# Altium PCB MB1166.PcbDoc (part 15 of 39) (continued)
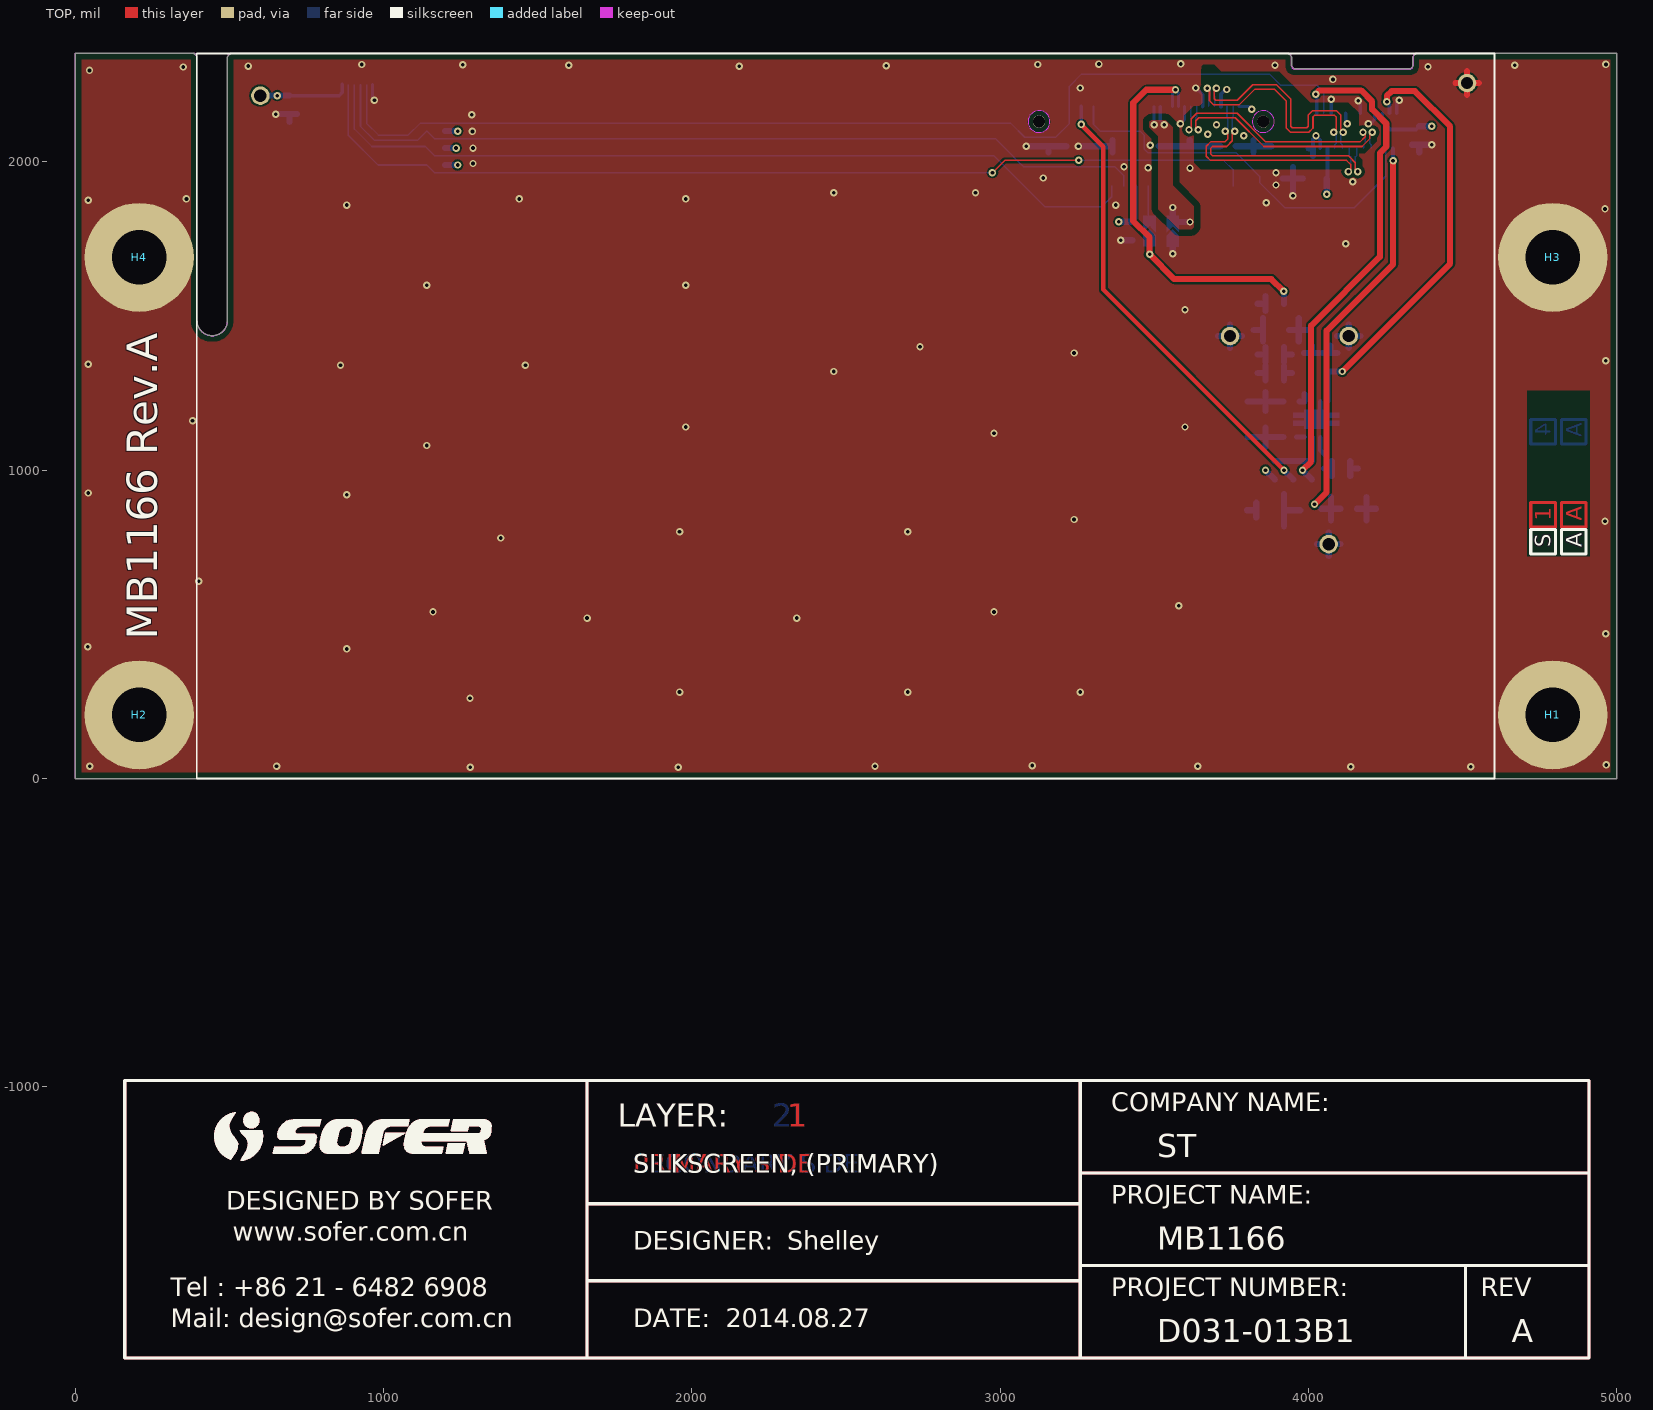
[diagram p0: TOP view]
## Nets (pads, with @x,y where several pads share a name; then routed paths per layer and width w, separated by ;. In a path a pad name is that pad's centre, name@x,y a point inside that pad or via, vN(x,y) a via of type N, cw(c..) or ccw(c..) an arc to the next point about the centre after c; other vN are vias at no path point) (continued)
 ; 455.17,-1184.28 455.2,-1184.37 ; 455.14,-1138.65 455.16,-1138.55 ; 455.14,-1138.65 455.16,-1138.55 ; 455.16,-1138.55 455.19,-1138.46 ; 455.16,-1138.55 455.19,-1138.46 ; 455.2,-1184.37 455.26,-1184.57 ; 455.2,-1184.37 455.26,-1184.57 ; 455.19,-1138.46 455.22,-1138.36 ; 455.19,-1138.46 455.22,-1138.36 ; 455.22,-1138.36 455.25,-1138.27 ; 455.22,-1138.36 455.25,-1138.27 ; 455.26,-1184.57 455.29,-1184.66 ; 455.26,-1184.57 455.29,-1184.66 ; 455.25,-1138.27 455.31,-1138.07 ; 455.25,-1138.27 455.31,-1138.07 ; 455.32,-1184.76 455.29,-1184.66 ; 455.32,-1184.76 455.35,-1184.85 ; 455.32,-1184.76 455.29,-1184.66 ; 455.32,-1184.76 455.35,-1184.85 ; 455.31,-1138.07 455.34,-1137.98 ; 455.31,-1138.07 455.34,-1137.98 ; 455.35,-1184.85 455.38,-1184.95 ; 455.35,-1184.85 455.38,-1184.95 ; 455.34,-1137.98 455.37,-1137.88 ; 455.34,-1137.98 455.37,-1137.88 ; 455.37,-1137.88 455.4,-1137.79 ; 455.37,-1137.88 455.4,-1137.79 ; 455.41,-1185.04 455.38,-1184.95 ; 455.41,-1185.04 455.44,-1185.14 ; 455.41,-1185.04 455.38,-1184.95 ; 455.41,-1185.04 455.44,-1185.14 ; 455.4,-1137.79 455.43,-1137.69 ; 455.4,-1137.79 455.43,-1137.69 ; 455.47,-1185.23 455.44,-1185.14 ; 455.47,-1185.23 455.5,-1185.33 ; 455.47,-1185.23 455.44,-1185.14 ; 455.47,-1185.23 455.5,-1185.33 ; 455.43,-1137.69 455.46,-1137.6 ; 455.43,-1137.69 455.46,-1137.6 ; 455.46,-1137.6 455.49,-1137.5 ; 455.46,-1137.6 455.49,-1137.5 ; 455.5,-1185.33 455.53,-1185.42 ; 455.5,-1185.33 455.53,-1185.42 ; 455.49,-1137.5 455.52,-1137.41 ; 455.49,-1137.5 455.52,-1137.41 ; 455.52,-1137.41 455.55,-1137.31 ; 455.52,-1137.41 455.55,-1137.31 ; 455.56,-1185.52 455.53,-1185.42 ; 455.56,-1185.52 455.59,-1185.61 ; 455.56,-1185.52 455.53,-1185.42 ; 455.56,-1185.52 455.59,-1185.61 ; 455.55,-1137.31 455.58,-1137.22 ; 455.55,-1137.31 455.58,-1137.22 ; 455.59,-1185.61 455.63,-1185.71 ; 455.59,-1185.61 455.63,-1185.71 ; 455.58,-1137.22 455.62,-1137.12 ; 455.58,-1137.22 455.62,-1137.12 ; 455.62,-1137.12 455.65,-1137.03 ; 455.62,-1137.12 455.65,-1137.03 ; 455.66,-1185.8 455.63,-1185.71 ; 455.66,-1185.8 455.69,-1185.9 ; 455.66,-1185.8 455.63,-1185.71 ; 455.66,-1185.8 455.69,-1185.9 ; 455.65,-1137.03 455.68,-1136.93 ; 455.65,-1137.03 455.68,-1136.93 ; 455.72,-1185.99 455.69,-1185.9 ; 455.72,-1185.99 455.75,-1186.09 ; 455.72,-1185.99 455.69,-1185.9 ; 455.72,-1185.99 455.75,-1186.09 ; 455.68,-1136.93 455.71,-1136.84 ; 455.68,-1136.93 455.71,-1136.84 ; 455.71,-1136.84 455.74,-1136.74 ; 455.71,-1136.84 455.74,-1136.74 ; 455.75,-1186.09 455.78,-1186.18 ; 455.75,-1186.09 455.78,-1186.18 ; 455.74,-1136.74 455.77,-1136.65 ; 455.74,-1136.74 455.77,-1136.65 ; 455.77,-1136.65 455.8,-1136.55 ; 455.77,-1136.65 455.8,-1136.55 ; 455.81,-1186.28 455.78,-1186.18 ; 455.81,-1186.28 455.85,-1186.37 ; 455.81,-1186.28 455.78,-1186.18 ; 455.81,-1186.28 455.85,-1186.37 ; 455.8,-1136.55 455.83,-1136.46 ; 455.8,-1136.55 455.83,-1136.46 ; 455.85,-1186.37 455.88,-1186.47 ; 455.85,-1186.37 455.88,-1186.47 ; 455.83,-1136.46 455.87,-1136.36 ; 455.83,-1136.46 455.87,-1136.36 ; 455.87,-1136.36 455.9,-1136.27 ; 455.87,-1136.36 455.9,-1136.27 ; 455.91,-1186.56 455.88,-1186.47 ; 455.91,-1186.56 455.94,-1186.66 ; 455.91,-1186.56 455.88,-1186.47 ; 455.91,-1186.56 455.94,-1186.66 ; 455.9,-1136.27 455.93,-1136.17 ; 455.9,-1136.27 455.93,-1136.17 ; 455.97,-1186.75 455.94,-1186.66 ; 455.97,-1186.75 456.01,-1186.85 ; 455.97,-1186.75 455.94,-1186.66 ; 455.97,-1186.75 456.01,-1186.85 ; 455.93,-1136.17 455.96,-1136.08 ; 455.93,-1136.17 455.96,-1136.08 ; 455.96,-1136.08 456,-1135.98 ; 455.96,-1136.08 456,-1135.98 ; 456.01,-1186.85 456.04,-1186.94 ; 456.01,-1186.85 456.04,-1186.94 ; 456,-1135.98 456.03,-1135.89 ; 456,-1135.98 456.03,-1135.89 ; 456.07,-1187.04 456.04,-1186.94 ; 456.07,-1187.04 456.1,-1187.13 ; 456.07,-1187.04 456.04,-1186.94 ; 456.07,-1187.04 456.1,-1187.13 ; 456.03,-1135.89 456.06,-1135.79 ; 456.03,-1135.89 456.06,-1135.79 ; 456.06,-1135.79 456.09,-1135.7 ; 456.06,-1135.79 456.09,-1135.7 ; 456.1,-1187.13 456.14,-1187.23 ; 456.1,-1187.13 456.14,-1187.23 ; 456.09,-1135.7 456.13,-1135.61 ; 456.09,-1135.7 456.13,-1135.61 ; 456.14,-1187.23 456.2,-1187.41 ; 456.14,-1187.23 456.2,-1187.41 ; 456.13,-1135.61 456.16,-1135.51 ; 456.13,-1135.61 456.16,-1135.51 ; 456.16,-1135.51 456.19,-1135.42 ; 456.16,-1135.51 456.19,-1135.42 ; 456.2,-1187.41 456.24,-1187.51 ; 456.2,-1187.41 456.24,-1187.51 ; 456.19,-1135.42 456.23,-1135.32 ; 456.19,-1135.42 456.23,-1135.32 ; 456.27,-1187.6 456.24,-1187.51 ; 456.27,-1187.6 456.3,-1187.7 ; 456.27,-1187.6 456.24,-1187.51 ; 456.27,-1187.6 456.3,-1187.7 ; 456.23,-1135.32 456.26,-1135.23 ; 456.23,-1135.32 456.26,-1135.23 ; 456.26,-1135.23 456.29,-1135.13 ; 456.26,-1135.23 456.29,-1135.13 ; 456.3,-1187.7 456.34,-1187.79 ; 456.3,-1187.7 456.34,-1187.79 ; 456.29,-1135.13 456.33,-1135.04 ; 456.29,-1135.13 456.33,-1135.04 ; 456.37,-1187.89 456.34,-1187.79 ; 456.37,-1187.89 456.4,-1187.98 ; 456.37,-1187.89 456.34,-1187.79 ; 456.37,-1187.89 456.4,-1187.98 ; 456.33,-1135.04 456.36,-1134.95 ; 456.33,-1135.04 456.36,-1134.95 ; 456.36,-1134.95 456.39,-1134.85 ; 456.36,-1134.95 456.39,-1134.85 ; 456.4,-1187.98 456.44,-1188.07 ; 456.4,-1187.98 456.44,-1188.07 ; 456.39,-1134.85 456.43,-1134.76 ; 456.39,-1134.85 456.43,-1134.76 ; 456.47,-1188.17 456.44,-1188.07 ; 456.47,-1188.17 456.51,-1188.26 ; 456.47,-1188.17 456.44,-1188.07 ; 456.47,-1188.17 456.51,-1188.26 ; 456.43,-1134.76 456.46,-1134.66 ; 456.43,-1134.76 456.46,-1134.66 ; 456.46,-1134.66 456.5,-1134.57 ; 456.46,-1134.66 456.5,-1134.57 ; 456.51,-1188.26 456.54,-1188.36 ; 456.51,-1188.26 456.54,-1188.36 ; 456.5,-1134.57 456.53,-1134.48 ; 456.5,-1134.57 456.53,-1134.48 ; 456.54,-1188.36 456.58,-1188.45 ; 456.54,-1188.36 456.58,-1188.45 ; 456.53,-1134.48 456.56,-1134.38 ; 456.53,-1134.48 456.56,-1134.38 ; 456.56,-1134.38 456.6,-1134.29 ; 456.56,-1134.38 456.6,-1134.29 ; 456.61,-1188.54 456.58,-1188.45 ; 456.61,-1188.54 456.64,-1188.64 ; 456.61,-1188.54 456.58,-1188.45 ; 456.61,-1188.54 456.64,-1188.64 ; 456.6,-1134.29 456.63,-1134.19 ; 456.6,-1134.29 456.63,-1134.19 ; 456.64,-1188.64 456.68,-1188.73 ; 456.64,-1188.64 456.68,-1188.73 ; 456.63,-1134.19 456.67,-1134.1 ; 456.63,-1134.19 456.67,-1134.1 ; 456.67,-1134.1 456.7,-1134.01 ; 456.67,-1134.1 456.7,-1134.01 ; 456.71,-1188.82 456.68,-1188.73 ; 456.71,-1188.82 456.75,-1188.92 ; 456.71,-1188.82 456.68,-1188.73 ; 456.71,-1188.82 456.75,-1188.92 ; 456.7,-1134.01 456.74,-1133.91 ; 456.7,-1134.01 456.74,-1133.91 ; 456.75,-1188.92 456.78,-1189.01 ; 456.75,-1188.92 456.78,-1189.01 ; 456.74,-1133.91 456.77,-1133.82 ; 456.74,-1133.91 456.77,-1133.82 ; 456.77,-1133.82 456.81,-1133.73 ; 456.77,-1133.82 456.81,-1133.73 ; 456.82,-1189.11 456.78,-1189.01 ; 456.82,-1189.11 456.86,-1189.2 ; 456.82,-1189.11 456.78,-1189.01 ; 456.82,-1189.11 456.86,-1189.2 ; 456.81,-1133.73 456.84,-1133.63 ; 456.81,-1133.73 456.84,-1133.63 ; 456.86,-1189.2 456.89,-1189.29 ; 456.86,-1189.2 456.89,-1189.29 ; 456.84,-1133.63 456.88,-1133.54 ; 456.84,-1133.63 456.88,-1133.54 ; 456.89,-1189.29 456.93,-1189.39 ; 456.89,-1189.29 456.93,-1189.39 ; 456.88,-1133.54 456.91,-1133.44 ; 456.88,-1133.54 456.91,-1133.44 ; 456.91,-1133.44 456.99,-1133.26 ; 456.91,-1133.44 456.99,-1133.26 ; 456.96,-1189.48 456.93,-1189.39 ; 456.96,-1189.48 457,-1189.57 ; 456.96,-1189.48 456.93,-1189.39 ; 456.96,-1189.48 457,-1189.57 ; 457,-1189.57 457.03,-1189.67 ; 457,-1189.57 457.03,-1189.67 ; 456.99,-1133.26 457.02,-1133.16 ; 456.99,-1133.26 457.02,-1133.16 ; 457.02,-1133.16 457.06,-1133.07 ; 457.02,-1133.16 457.06,-1133.07 ; 457.03,-1189.67 457.11,-1189.85 ; 457.03,-1189.67 457.11,-1189.85 ; 457.06,-1133.07 457.09,-1132.98 ; 457.06,-1133.07 457.09,-1132.98 ; 457.11,-1189.85 457.14,-1189.95 ; 457.11,-1189.85 457.14,-1189.95 ; 457.09,-1132.98 457.13,-1132.88 ; 457.09,-1132.98 457.13,-1132.88 ; 457.14,-1189.95 457.22,-1190.13 ; 457.14,-1189.95 457.22,-1190.13 ; 457.13,-1132.88 457.17,-1132.79 ; 457.13,-1132.88 457.17,-1132.79 ; 457.17,-1132.79 457.2,-1132.7 ; 457.17,-1132.79 457.2,-1132.7 ; 457.22,-1190.13 457.25,-1190.22 ; 457.22,-1190.13 457.25,-1190.22 ; 457.2,-1132.7 457.24,-1132.61 ; 457.2,-1132.7 457.24,-1132.61 ; 457.25,-1190.22 457.29,-1190.32 ; 457.25,-1190.22 457.29,-1190.32 ; 457.24,-1132.61 457.28,-1132.51 ; 457.24,-1132.61 457.28,-1132.51 ; 457.29,-1190.32 457.33,-1190.41 ; 457.29,-1190.32 457.33,-1190.41 ; 457.28,-1132.51 457.31,-1132.42 ; 457.28,-1132.51 457.31,-1132.42 ; 457.31,-1132.42 457.35,-1132.33 ; 457.31,-1132.42 457.35,-1132.33 ; 457.36,-1190.5 457.33,-1190.41 ; 457.36,-1190.5 457.4,-1190.6 ; 457.36,-1190.5 457.33,-1190.41 ; 457.36,-1190.5 457.4,-1190.6 ; 457.35,-1132.33 457.39,-1132.23 ; 457.35,-1132.33 457.39,-1132.23 ; 457.4,-1190.6 457.44,-1190.69 ; 457.4,-1190.6 457.44,-1190.69 ; 457.39,-1132.23 457.42,-1132.14 ; 457.39,-1132.23 457.42,-1132.14 ; 457.42,-1132.14 457.5,-1131.96 ; 457.42,-1132.14 457.5,-1131.96 ; 457.47,-1190.78 457.44,-1190.69 ; 457.47,-1190.78 457.51,-1190.87 ; 457.47,-1190.78 457.44,-1190.69 ; 457.47,-1190.78 457.51,-1190.87 ; 457.51,-1190.87 457.55,-1190.97 ; 457.51,-1190.87 457.55,-1190.97 ; 457.5,-1131.96 457.54,-1131.86 ; 457.5,-1131.96 457.54,-1131.86 ; 457.55,-1190.97 457.63,-1191.15 ; 457.55,-1190.97 457.63,-1191.15 ; 457.54,-1131.86 457.57,-1131.77 ; 457.54,-1131.86 457.57,-1131.77 ; 457.57,-1131.77 457.65,-1131.59 ; 457.57,-1131.77 457.65,-1131.59 ; 457.66,-1191.24 457.63,-1191.15 ; 457.66,-1191.24 457.7,-1191.34 ; 457.66,-1191.24 457.63,-1191.15 ; 457.66,-1191.24 457.7,-1191.34 ; 457.65,-1131.59 457.69,-1131.49 ; 457.65,-1131.59 457.69,-1131.49 ; 457.7,-1191.34 457.82,-1191.61 ; 457.7,-1191.34 457.82,-1191.61 ; 457.69,-1131.49 457.77,-1131.31 ; 457.69,-1131.49 457.77,-1131.31 ; 457.77,-1131.31 457.8,-1131.22 ; 457.77,-1131.31 457.8,-1131.22 ; 457.82,-1191.61 457.86,-1191.71 ; 457.82,-1191.61 457.86,-1191.71 ; 457.8,-1131.22 457.84,-1131.12 ; 457.8,-1131.22 457.84,-1131.12 ; 457.86,-1191.71 457.89,-1191.8 ; 457.86,-1191.71 457.89,-1191.8 ; 457.84,-1131.12 457.96,-1130.85 ; 457.84,-1131.12 457.96,-1130.85 ; 457.89,-1191.8 458.01,-1192.07 ; 457.89,-1191.8 458.01,-1192.07 ; 457.96,-1130.85 458,-1130.75 ; 457.96,-1130.85 458,-1130.75 ; 458.01,-1192.07 458.05,-1192.17 ; 458.01,-1192.07 458.05,-1192.17 ; 458,-1130.75 458.12,-1130.48 ; 458,-1130.75 458.12,-1130.48 ; 458.05,-1192.17 458.21,-1192.53 ; 458.05,-1192.17 458.21,-1192.53 ; 458.12,-1130.48 458.15,-1130.39 ; 458.12,-1130.48 458.15,-1130.39 ; 458.15,-1130.39 458.19,-1130.3 ; 458.15,-1130.39 458.19,-1130.3 ; 458.21,-1192.53 458.25,-1192.63 ; 458.21,-1192.53 458.25,-1192.63 ; 458.19,-1130.3 458.23,-1130.2 ; 458.19,-1130.3 458.23,-1130.2 ; 458.25,-1192.63 458.45,-1193.08 ; 458.25,-1192.63 458.45,-1193.08 ; 458.23,-1130.2 458.43,-1129.75 ; 458.23,-1130.2 458.43,-1129.75 ; 458.45,-1193.08 458.49,-1193.18 ; 458.45,-1193.08 458.49,-1193.18 ; 458.43,-1129.75 458.47,-1129.65 ; 458.43,-1129.75 458.47,-1129.65 ; 458.47,-1129.65 458.52,-1129.56 ; 458.47,-1129.65 458.52,-1129.56 ; 458.49,-1193.18 458.73,-1193.72 ; 458.49,-1193.18 458.73,-1193.72 ; 458.52,-1129.56 458.76,-1129.02 ; 458.52,-1129.56 458.76,-1129.02 ; 458.73,-1193.72 458.78,-1193.81 ; 458.73,-1193.72 458.78,-1193.81 ; 458.76,-1129.02 458.8,-1128.92 ; 458.76,-1129.02 458.8,-1128.92 ; 458.82,-1193.91 458.78,-1193.81 ; 458.82,-1193.91 458.98,-1194.27 ; 458.82,-1193.91 458.78,-1193.81 ; 458.82,-1193.91 458.98,-1194.27 ; 458.8,-1128.92 458.84,-1128.83 ; 458.8,-1128.92 458.84,-1128.83 ; 458.84,-1128.83 458.89,-1128.74 ; 458.84,-1128.83 458.89,-1128.74 ; 458.89,-1128.74 459.05,-1128.38 ; 458.89,-1128.74 459.05,-1128.38 ; 458.98,-1194.27 459.03,-1194.36 ; 458.98,-1194.27 459.03,-1194.36 ; 459.03,-1194.36 459.19,-1194.72 ; 459.03,-1194.36 459.19,-1194.72 ; 459.05,-1128.38 459.1,-1128.29 ; 459.05,-1128.38 459.1,-1128.29 ; 459.1,-1128.29 459.26,-1127.93 ; 459.1,-1128.29 459.26,-1127.93 ; 459.19,-1194.72 459.24,-1194.81 ; 459.19,-1194.72 459.24,-1194.81 ; 459.24,-1194.81 459.36,-1195.08 ; 459.24,-1194.81 459.36,-1195.08 ; 459.26,-1127.93 459.31,-1127.84 ; 459.26,-1127.93 459.31,-1127.84 ; 459.31,-1127.84 459.35,-1127.75 ; 459.31,-1127.84 459.35,-1127.75 ; 459.36,-1195.08 459.41,-1195.17 ; 459.36,-1195.08 459.41,-1195.17 ; 459.35,-1127.75 459.39,-1127.65 ; 459.35,-1127.75 459.39,-1127.65 ; 459.41,-1195.17 459.49,-1195.35 ; 459.41,-1195.17 459.49,-1195.35 ; 459.39,-1127.65 459.44,-1127.56 ; 459.39,-1127.65 459.44,-1127.56 ; 459.44,-1127.56 459.52,-1127.38 ; 459.44,-1127.56 459.52,-1127.38 ; 459.49,-1195.35 459.54,-1195.44 ; 459.49,-1195.35 459.54,-1195.44 ; 459.52,-1127.38 459.57,-1127.29 ; 459.52,-1127.38 459.57,-1127.29 ; 459.54,-1195.44 459.62,-1195.62 ; 459.54,-1195.44 459.62,-1195.62 ; 459.57,-1127.29 459.65,-1127.11 ; 459.57,-1127.29 459.65,-1127.11 ; 459.62,-1195.62 459.67,-1195.71 ; 459.62,-1195.62 459.67,-1195.71 ; 459.67,-1195.71 459.71,-1195.8 ; 459.67,-1195.71 459.71,-1195.8 ; 459.65,-1127.11 459.7,-1127.02 ; 459.65,-1127.11 459.7,-1127.02 ; 459.71,-1195.8 459.76,-1195.89 ; 459.71,-1195.8 459.76,-1195.89 ; 459.7,-1127.02 459.74,-1126.93 ; 459.7,-1127.02 459.74,-1126.93 ; 459.76,-1195.89 459.84,-1196.07 ; 459.76,-1195.89 459.84,-1196.07 ; 459.74,-1126.93 459.79,-1126.84 ; 459.74,-1126.93 459.79,-1126.84 ; 459.79,-1126.84 459.83,-1126.75 ; 459.79,-1126.84 459.83,-1126.75 ; 459.84,-1196.07 459.89,-1196.16 ; 459.84,-1196.07 459.89,-1196.16 ; 459.83,-1126.75 459.87,-1126.67 ; 459.83,-1126.75 459.87,-1126.67 ; 459.87,-1126.67 459.92,-1126.58 ; 459.87,-1126.67 459.92,-1126.58 ; 459.89,-1196.16 459.93,-1196.25 ; 459.89,-1196.16 459.93,-1196.25 ; 459.92,-1126.58 459.96,-1126.49 ; 459.92,-1126.58 459.96,-1126.49 ; 459.93,-1196.25 459.98,-1196.34 ; 459.93,-1196.25 459.98,-1196.34 ; 459.96,-1126.49 460.01,-1126.4 ; 459.96,-1126.49 460.01,-1126.4 ; 460.02,-1196.43 459.98,-1196.34 ; 460.02,-1196.43 460.07,-1196.52 ; 460.02,-1196.43 459.98,-1196.34 ; 460.02,-1196.43 460.07,-1196.52 ; 460.01,-1126.4 460.05,-1126.31 ; 460.01,-1126.4 460.05,-1126.31 ; 460.07,-1196.52 460.11,-1196.61 ; 460.07,-1196.52 460.11,-1196.61 ; 460.05,-1126.31 460.1,-1126.22 ; 460.05,-1126.31 460.1,-1126.22 ; 460.11,-1196.61 460.16,-1196.7 ; 460.11,-1196.61 460.16,-1196.7 ; 460.1,-1126.22 460.14,-1126.13 ; 460.1,-1126.22 460.14,-1126.13 ; 460.16,-1196.7 460.2,-1196.79 ; 460.16,-1196.7 460.2,-1196.79 ; 460.14,-1126.13 460.19,-1126.04 ; 460.14,-1126.13 460.19,-1126.04 ; 460.2,-1196.79 460.25,-1196.88 ; 460.2,-1196.79 460.25,-1196.88 ; 460.19,-1126.04 460.23,-1125.95 ; 460.19,-1126.04 460.23,-1125.95 ; 460.25,-1196.88 460.29,-1196.97 ; 460.25,-1196.88 460.29,-1196.97 ; 460.23,-1125.95 460.28,-1125.86 ; 460.23,-1125.95 460.28,-1125.86 ; 460.29,-1196.97 460.34,-1197.06 ; 460.29,-1196.97 460.34,-1197.06 ; 460.28,-1125.86 460.32,-1125.77 ; 460.28,-1125.86 460.32,-1125.77 ; 460.32,-1125.77 460.37,-1125.68 ; 460.32,-1125.77 460.37,-1125.68 ; 460.34,-1197.06 460.38,-1197.15 ; 460.34,-1197.06 460.38,-1197.15 ; 460.37,-1125.68 460.41,-1125.59 ; 460.37,-1125.68 460.41,-1125.59 ; 460.38,-1197.15 460.43,-1197.24 ; 460.38,-1197.15 460.43,-1197.24 ; 460.41,-1125.59 460.46,-1125.5 ; 460.41,-1125.59 460.46,-1125.5 ; 460.47,-1197.32 460.43,-1197.24 ; 460.47,-1197.32 460.57,-1197.5 ; 460.47,-1197.32 460.43,-1197.24 ; 460.47,-1197.32 460.57,-1197.5 ; 460.46,-1125.5 460.5,-1125.42 ; 460.46,-1125.5 460.5,-1125.42 ; 460.5,-1125.42 460.6,-1125.24 ; 460.5,-1125.42 460.6,-1125.24 ; 460.57,-1197.5 460.61,-1197.59 ; 460.57,-1197.5 460.61,-1197.59 ; 460.61,-1197.59 460.66,-1197.68 ; 460.61,-1197.59 460.66,-1197.68 ; 460.6,-1125.24 460.64,-1125.15 ; 460.6,-1125.24 460.64,-1125.15 ; 460.66,-1197.68 460.7,-1197.77 ; 460.66,-1197.68 460.7,-1197.77 ; 460.64,-1125.15 460.74,-1124.97 ; 460.64,-1125.15 460.74,-1124.97 ; 460.7,-1197.77 460.75,-1197.86 ; 460.7,-1197.77 460.75,-1197.86 ; 460.75,-1197.86 460.8,-1197.94 ; 460.75,-1197.86 460.8,-1197.94 ; 460.74,-1124.97 460.78,-1124.88 ; 460.74,-1124.97 460.78,-1124.88 ; 460.8,-1197.94 460.84,-1198.03 ; 460.8,-1197.94 460.84,-1198.03 ; 460.78,-1124.88 460.83,-1124.8 ; 460.78,-1124.88 460.83,-1124.8 ; 460.84,-1198.03 460.99,-1198.3 ; 460.84,-1198.03 460.99,-1198.3 ; 460.83,-1124.8 460.88,-1124.71 ; 460.83,-1124.8 460.88,-1124.71 ; 460.88,-1124.71 460.92,-1124.62 ; 460.88,-1124.71 460.92,-1124.62 ; 460.92,-1124.62 461.02,-1124.44 ; 460.92,-1124.62 461.02,-1124.44 ; 460.99,-1198.3 461.03,-1198.39 ; 460.99,-1198.3 461.03,-1198.39 ; 461.02,-1124.44 461.06,-1124.35 ; 461.02,-1124.44 461.06,-1124.35 ; 461.03,-1198.39 461.08,-1198.47 ; 461.03,-1198.39 461.08,-1198.47 ; 461.06,-1124.35 461.11,-1124.27 ; 461.06,-1124.35 461.11,-1124.27 ; 461.08,-1198.47 461.13,-1198.56 ; 461.08,-1198.47 461.13,-1198.56 ; 461.11,-1124.27 461.21,-1124.09 ; 461.11,-1124.27 461.21,-1124.09 ; 461.17,-1198.65 461.13,-1198.56 ; 461.17,-1198.65 461.27,-1198.83 ; 461.17,-1198.65 461.13,-1198.56 ; 461.17,-1198.65 461.27,-1198.83 ; 461.21,-1124.09 461.25,-1124 ; 461.21,-1124.09 461.25,-1124 ; 461.27,-1198.83 461.32,-1198.91 ; 461.27,-1198.83 461.32,-1198.91 ; 461.25,-1124 461.3,-1123.91 ; 461.25,-1124 461.3,-1123.91 ; 461.32,-1198.91 461.37,-1199 ; 461.32,-1198.91 461.37,-1199 ; 461.3,-1123.91 461.35,-1123.83 ; 461.3,-1123.91 461.35,-1123.83 ; 461.37,-1199 461.41,-1199.09 ; 461.37,-1199 461.41,-1199.09 ; 461.35,-1123.83 461.4,-1123.74 ; 461.35,-1123.83 461.4,-1123.74 ; 461.41,-1199.09 461.51,-1199.27 ; 461.41,-1199.09 461.51,-1199.27 ; 461.4,-1123.74 461.44,-1123.65 ; 461.4,-1123.74 461.44,-1123.65 ; 461.44,-1123.65 461.49,-1123.56 ; 461.44,-1123.65 461.49,-1123.56 ; 461.51,-1199.27 461.56,-1199.35 ; 461.51,-1199.27 461.56,-1199.35 ; 461.49,-1123.56 461.54,-1123.48 ; 461.49,-1123.56 461.54,-1123.48 ; 461.56,-1199.35 461.61,-1199.44 ; 461.56,-1199.35 461.61,-1199.44 ; 461.54,-1123.48 461.69,-1123.21 ; 461.54,-1123.48 461.69,-1123.21 ; 461.61,-1199.44 461.65,-1199.53 ; 461.61,-1199.44 461.65,-1199.53 ; 461.65,-1199.53 461.7,-1199.62 ; 461.65,-1199.53 461.7,-1199.62 ; 461.7,-1199.62 461.75,-1199.7 ; 461.7,-1199.62 461.75,-1199.7 ; 461.69,-1123.21 461.74,-1123.13 ; 461.69,-1123.21 461.74,-1123.13 ; 461.75,-1199.7 461.85,-1199.88 ; 461.75,-1199.7 461.85,-1199.88 ; 461.74,-1123.13 461.78,-1123.04 ; 461.74,-1123.13 461.78,-1123.04 ; 461.78,-1123.04 461.88,-1122.86 ; 461.78,-1123.04 461.88,-1122.86 ; 461.85,-1199.88 461.9,-1199.96 ; 461.85,-1199.88 461.9,-1199.96 ; 461.9,-1199.96 462,-1200.14 ; 461.9,-1199.96 462,-1200.14 ; 461.88,-1122.86 461.93,-1122.78 ; 461.88,-1122.86 461.93,-1122.78 ; 461.93,-1122.78 462.03,-1122.6 ; 461.93,-1122.78 462.03,-1122.6 ; 462,-1200.14 462.05,-1200.22 ; 462,-1200.14 462.05,-1200.22 ; 462.05,-1200.22 462.2,-1200.49 ; 462.05,-1200.22 462.2,-1200.49 ; 462.03,-1122.6 462.08,-1122.52 ; 462.03,-1122.6 462.08,-1122.52 ; 462.08,-1122.52 462.18,-1122.34 ; 462.08,-1122.52 462.18,-1122.34 ; 462.2,-1200.49 462.25,-1200.57 ; 462.2,-1200.49 462.25,-1200.57 ; 462.18,-1122.34 462.23,-1122.26 ; 462.18,-1122.34 462.23,-1122.26 ; 462.25,-1200.57 462.35,-1200.75 ; 462.25,-1200.57 462.35,-1200.75 ; 462.23,-1122.26 462.33,-1122.08 ; 462.23,-1122.26 462.33,-1122.08 ; 462.35,-1200.75 462.4,-1200.83 ; 462.35,-1200.75 462.4,-1200.83 ; 462.33,-1122.08 462.38,-1122 ; 462.33,-1122.08 462.38,-1122 ; 462.4,-1200.83 462.45,-1200.92 ; 462.4,-1200.83 462.45,-1200.92 ; 462.38,-1122 462.48,-1121.82 ; 462.38,-1122 462.48,-1121.82 ; 462.45,-1200.92 462.5,-1201 ; 462.45,-1200.92 462.5,-1201 ; 462.5,-1201 462.6,-1201.18 ; 462.5,-1201 462.6,-1201.18 ; 462.48,-1121.82 462.53,-1121.74 ; 462.48,-1121.82 462.53,-1121.74 ; 462.53,-1121.74 462.63,-1121.56 ; 462.53,-1121.74 462.63,-1121.56 ; 462.6,-1201.18 462.65,-1201.26 ; 462.6,-1201.18 462.65,-1201.26 ; 462.65,-1201.26 462.75,-1201.44 ; 462.65,-1201.26 462.75,-1201.44 ; 462.63,-1121.56 462.68,-1121.48 ; 462.63,-1121.56 462.68,-1121.48 ; 462.68,-1121.48 462.73,-1121.39 ; 462.68,-1121.48 462.73,-1121.39 ; 462.75,-1201.44 462.8,-1201.52 ; 462.75,-1201.44 462.8,-1201.52 ; 462.73,-1121.39 462.78,-1121.31 ; 462.73,-1121.39 462.78,-1121.31 ; 462.8,-1201.52 462.85,-1201.61 ; 462.8,-1201.52 462.85,-1201.61 ; 462.78,-1121.31 462.84,-1121.22 ; 462.78,-1121.31 462.84,-1121.22 ; 462.85,-1201.61 462.9,-1201.69 ; 462.85,-1201.61 462.9,-1201.69 ; 462.84,-1121.22 462.89,-1121.13 ; 462.84,-1121.22 462.89,-1121.13 ; 462.9,-1201.69 462.96,-1201.78 ; 462.9,-1201.69 462.96,-1201.78 ; 462.89,-1121.13 462.94,-1121.05 ; 462.89,-1121.13 462.94,-1121.05 ; 462.96,-1201.78 463.01,-1201.86 ; 462.96,-1201.78 463.01,-1201.86 ; 462.94,-1121.05 462.99,-1120.96 ; 462.94,-1121.05 462.99,-1120.96 ; 463.01,-1201.86 463.11,-1202.04 ; 463.01,-1201.86 463.11,-1202.04 ; 462.99,-1120.96 463.04,-1120.88 ; 462.99,-1120.96 463.04,-1120.88 ; 463.04,-1120.88 463.09,-1120.79 ; 463.04,-1120.88 463.09,-1120.79 ; 463.11,-1202.04 463.16,-1202.12 ; 463.11,-1202.04 463.16,-1202.12 ; 463.09,-1120.79 463.15,-1120.71 ; 463.09,-1120.79 463.15,-1120.71 ; 463.16,-1202.12 463.21,-1202.21 ; 463.16,-1202.12 463.21,-1202.21 ; 463.15,-1120.71 463.2,-1120.62 ; 463.15,-1120.71 463.2,-1120.62 ; 463.21,-1202.21 463.27,-1202.29 ; 463.21,-1202.21 463.27,-1202.29 ; 463.2,-1120.62 463.25,-1120.54 ; 463.2,-1120.62 463.25,-1120.54 ; 463.27,-1202.29 463.32,-1202.38 ; 463.27,-1202.29 463.32,-1202.38 ; 463.25,-1120.54 463.3,-1120.45 ; 463.25,-1120.54 463.3,-1120.45 ; 463.32,-1202.38 463.37,-1202.46 ; 463.32,-1202.38 463.37,-1202.46 ; 463.3,-1120.45 463.35,-1120.37 ; 463.3,-1120.45 463.35,-1120.37 ; 463.37,-1202.46 463.42,-1202.55 ; 463.37,-1202.46 463.42,-1202.55 ; 463.35,-1120.37 463.41,-1120.28 ; 463.35,-1120.37 463.41,-1120.28 ; 463.42,-1202.55 463.48,-1202.63 ; 463.42,-1202.55 463.48,-1202.63 ; 463.41,-1120.28 463.46,-1120.19 ; 463.41,-1120.28 463.46,-1120.19 ; 463.46,-1120.19 463.51,-1120.11 ; 463.46,-1120.19 463.51,-1120.11 ; 463.48,-1202.63 463.53,-1202.72 ; 463.48,-1202.63 463.53,-1202.72 ; 463.51,-1120.11 463.56,-1120.02 ; 463.51,-1120.11 463.56,-1120.02 ; 463.53,-1202.72 463.58,-1202.8 ; 463.53,-1202.72 463.58,-1202.8 ; 463.56,-1120.02 463.62,-1119.94 ; 463.56,-1120.02 463.62,-1119.94 ; 463.58,-1202.8 463.63,-1202.89 ; 463.58,-1202.8 463.63,-1202.89 ; 463.62,-1119.94 463.67,-1119.85 ; 463.62,-1119.94 463.67,-1119.85 ; 463.63,-1202.89 463.69,-1202.97 ; 463.63,-1202.89 463.69,-1202.97 ; 463.67,-1119.85 463.72,-1119.77 ; 463.67,-1119.85 463.72,-1119.77 ; 463.69,-1202.97 463.74,-1203.06 ; 463.69,-1202.97 463.74,-1203.06 ; 463.72,-1119.77 463.78,-1119.69 ; 463.72,-1119.77 463.78,-1119.69 ; 463.74,-1203.06 463.79,-1203.14 ; 463.74,-1203.06 463.79,-1203.14 ; 463.79,-1203.14 463.85,-1203.23 ; 463.79,-1203.14 463.85,-1203.23 ; 463.78,-1119.69 463.83,-1119.6 ; 463.78,-1119.69 463.83,-1119.6 ; 463.85,-1203.23 463.9,-1203.31 ; 463.85,-1203.23 463.9,-1203.31 ; 463.83,-1119.6 463.88,-1119.52 ; 463.83,-1119.6 463.88,-1119.52 ; 463.9,-1203.31 463.95,-1203.4 ; 463.9,-1203.31 463.95,-1203.4 ; 463.88,-1119.52 463.94,-1119.43 ; 463.88,-1119.52 463.94,-1119.43 ; 463.95,-1203.4 464.01,-1203.48 ; 463.95,-1203.4 464.01,-1203.48 ; 463.94,-1119.43 463.99,-1119.35 ; 463.94,-1119.43 463.99,-1119.35 ; 464.01,-1203.48 464.06,-1203.56 ; 464.01,-1203.48 464.06,-1203.56 ; 463.99,-1119.35 464.04,-1119.26 ; 463.99,-1119.35 464.04,-1119.26 ; 464.06,-1203.56 464.12,-1203.65 ; 464.06,-1203.56 464.12,-1203.65 ; 464.04,-1119.26 464.1,-1119.18 ; 464.04,-1119.26 464.1,-1119.18 ; 464.12,-1203.65 464.17,-1203.73 ; 464.12,-1203.65 464.17,-1203.73 ; 464.1,-1119.18 464.15,-1119.09 ; 464.1,-1119.18 464.15,-1119.09 ; 464.17,-1203.73 464.22,-1203.82 ; 464.17,-1203.73 464.22,-1203.82 ; 464.15,-1119.09 464.2,-1119.01 ; 464.15,-1119.09 464.2,-1119.01 ; 464.22,-1203.82 464.28,-1203.9 ; 464.22,-1203.82 464.28,-1203.9 ; 464.2,-1119.01 464.26,-1118.93 ; 464.2,-1119.01 464.26,-1118.93 ; 464.26,-1118.93 464.31,-1118.84 ; 464.26,-1118.93 464.31,-1118.84 ; 464.28,-1203.9 464.33,-1203.98 ; 464.28,-1203.9 464.33,-1203.98 ; 464.31,-1118.84 464.37,-1118.76 ; 464.31,-1118.84 464.37,-1118.76 ; 464.33,-1203.98 464.39,-1204.07 ; 464.33,-1203.98 464.39,-1204.07 ; 464.37,-1118.76 464.42,-1118.67 ; 464.37,-1118.76 464.42,-1118.67 ; 464.39,-1204.07 464.44,-1204.15 ; 464.39,-1204.07 464.44,-1204.15 ; 464.42,-1118.67 464.48,-1118.59 ; 464.42,-1118.67 464.48,-1118.59 ; 464.44,-1204.15 464.49,-1204.24 ; 464.44,-1204.15 464.49,-1204.24 ; 464.49,-1204.24 464.55,-1204.32 ; 464.49,-1204.24 464.55,-1204.32 ; 464.48,-1118.59 464.53,-1118.51 ; 464.48,-1118.59 464.53,-1118.51 ; 464.55,-1204.32 464.6,-1204.4 ; 464.55,-1204.32 464.6,-1204.4 ; 464.53,-1118.51 464.59,-1118.42 ; 464.53,-1118.51 464.59,-1118.42 ; 464.6,-1204.4 464.66,-1204.49 ; 464.6,-1204.4 464.66,-1204.49 ; 464.59,-1118.42 464.64,-1118.34 ; 464.59,-1118.42 464.64,-1118.34 ; 464.66,-1204.49 464.71,-1204.57 ; 464.66,-1204.49 464.71,-1204.57 ; 464.64,-1118.34 464.7,-1118.26 ; 464.64,-1118.34 464.7,-1118.26 ; 464.71,-1204.57 464.77,-1204.65 ; 464.71,-1204.57 464.77,-1204.65 ; 464.7,-1118.26 464.75,-1118.17 ; 464.7,-1118.26 464.75,-1118.17 ; 464.77,-1204.65 464.82,-1204.74 ; 464.77,-1204.65 464.82,-1204.74 ; 464.75,-1118.17 464.81,-1118.09 ; 464.75,-1118.17 464.81,-1118.09 ; 464.82,-1204.74 464.94,-1204.9 ; 464.82,-1204.74 464.94,-1204.9 ; 464.81,-1118.09 464.86,-1118.01 ; 464.81,-1118.09 464.86,-1118.01 ; 464.86,-1118.01 464.92,-1117.92 ; 464.86,-1118.01 464.92,-1117.92 ; 464.92,-1117.92 464.97,-1117.84 ; 464.92,-1117.92 464.97,-1117.84 ; 464.94,-1204.9 464.99,-1204.99 ; 464.94,-1204.9 464.99,-1204.99 ; 464.97,-1117.84 465.03,-1117.76 ; 464.97,-1117.84 465.03,-1117.76 ; 464.99,-1204.99 465.05,-1205.07 ; 464.99,-1204.99 465.05,-1205.07 ; 465.05,-1205.07 465.1,-1205.15 ; 465.05,-1205.07 465.1,-1205.15 ; 465.03,-1117.76 465.08,-1117.67 ; 465.03,-1117.76 465.08,-1117.67 ; 465.1,-1205.15 465.16,-1205.24 ; 465.1,-1205.15 465.16,-1205.24 ; 465.08,-1117.67 465.14,-1117.59 ; 465.08,-1117.67 465.14,-1117.59 ; 465.16,-1205.24 465.21,-1205.32 ; 465.16,-1205.24 465.21,-1205.32 ; 465.14,-1117.59 465.19,-1117.51 ; 465.14,-1117.59 465.19,-1117.51 ; 465.21,-1205.32 465.27,-1205.4 ; 465.21,-1205.32 465.27,-1205.4 ; 465.19,-1117.51 465.25,-1117.42 ; 465.19,-1117.51 465.25,-1117.42 ; 465.27,-1205.4 465.33,-1205.49 ; 465.27,-1205.4 465.33,-1205.49 ; 465.25,-1117.42 465.31,-1117.34 ; 465.25,-1117.42 465.31,-1117.34 ; 465.31,-1117.34 465.36,-1117.26 ; 465.31,-1117.34 465.36,-1117.26 ; 465.33,-1205.49 465.38,-1205.57 ; 465.33,-1205.49 465.38,-1205.57 ; 465.36,-1117.26 465.42,-1117.18 ; 465.36,-1117.26 465.42,-1117.18 ; 465.38,-1205.57 465.5,-1205.73 ; 465.38,-1205.57 465.5,-1205.73 ; 465.42,-1117.18 465.48,-1117.09 ; 465.42,-1117.18 465.48,-1117.09 ; 465.5,-1205.73 465.55,-1205.82 ; 465.5,-1205.73 465.55,-1205.82 ; 465.48,-1117.09 465.53,-1117.01 ; 465.48,-1117.09 465.53,-1117.01 ; 465.55,-1205.82 465.67,-1205.98 ; 465.55,-1205.82 465.67,-1205.98 ; 465.53,-1117.01 465.65,-1116.85 ; 465.53,-1117.01 465.65,-1116.85 ; 465.67,-1205.98 465.72,-1206.06 ; 465.67,-1205.98 465.72,-1206.06 ; 465.65,-1116.85 465.7,-1116.76 ; 465.65,-1116.85 465.7,-1116.76 ; 465.72,-1206.06 465.78,-1206.14 ; 465.72,-1206.06 465.78,-1206.14 ; 465.7,-1116.76 465.82,-1116.6 ; 465.7,-1116.76 465.82,-1116.6 ; 465.78,-1206.14 465.84,-1206.23 ; 465.78,-1206.14 465.84,-1206.23 ; 465.82,-1116.6 465.87,-1116.52 ; 465.82,-1116.6 465.87,-1116.52 ; 465.84,-1206.23 465.89,-1206.31 ; 465.84,-1206.23 465.89,-1206.31 ; 465.87,-1116.52 465.93,-1116.44 ; 465.87,-1116.52 465.93,-1116.44 ; 465.89,-1206.31 466.07,-1206.55 ; 465.89,-1206.31 466.07,-1206.55 ; 465.93,-1116.44 465.99,-1116.35 ; 465.93,-1116.44 465.99,-1116.35 ; 465.99,-1116.35 466.05,-1116.27 ; 465.99,-1116.35 466.05,-1116.27 ; 466.07,-1206.55 466.12,-1206.64 ; 466.07,-1206.55 466.12,-1206.64 ; 466.05,-1116.27 466.1,-1116.19 ; 466.05,-1116.27 466.1,-1116.19 ; 466.12,-1206.64 466.3,-1206.88 ; 466.12,-1206.64 466.3,-1206.88 ; 466.1,-1116.19 466.28,-1115.95 ; 466.1,-1116.19 466.28,-1115.95 ; 466.3,-1206.88 466.35,-1206.96 ; 466.3,-1206.88 466.35,-1206.96 ; 466.28,-1115.95 466.34,-1115.86 ; 466.28,-1115.95 466.34,-1115.86 ; 466.35,-1206.96 466.47,-1207.12 ; 466.35,-1206.96 466.47,-1207.12 ; 466.34,-1115.86 466.39,-1115.78 ; 466.34,-1115.86 466.39,-1115.78 ; 466.39,-1115.78 466.69,-1115.38 ; 466.39,-1115.78 466.69,-1115.38